# Altium PCB AudioBoxAmp.PcbDoc (part 1 of 2) (continued)
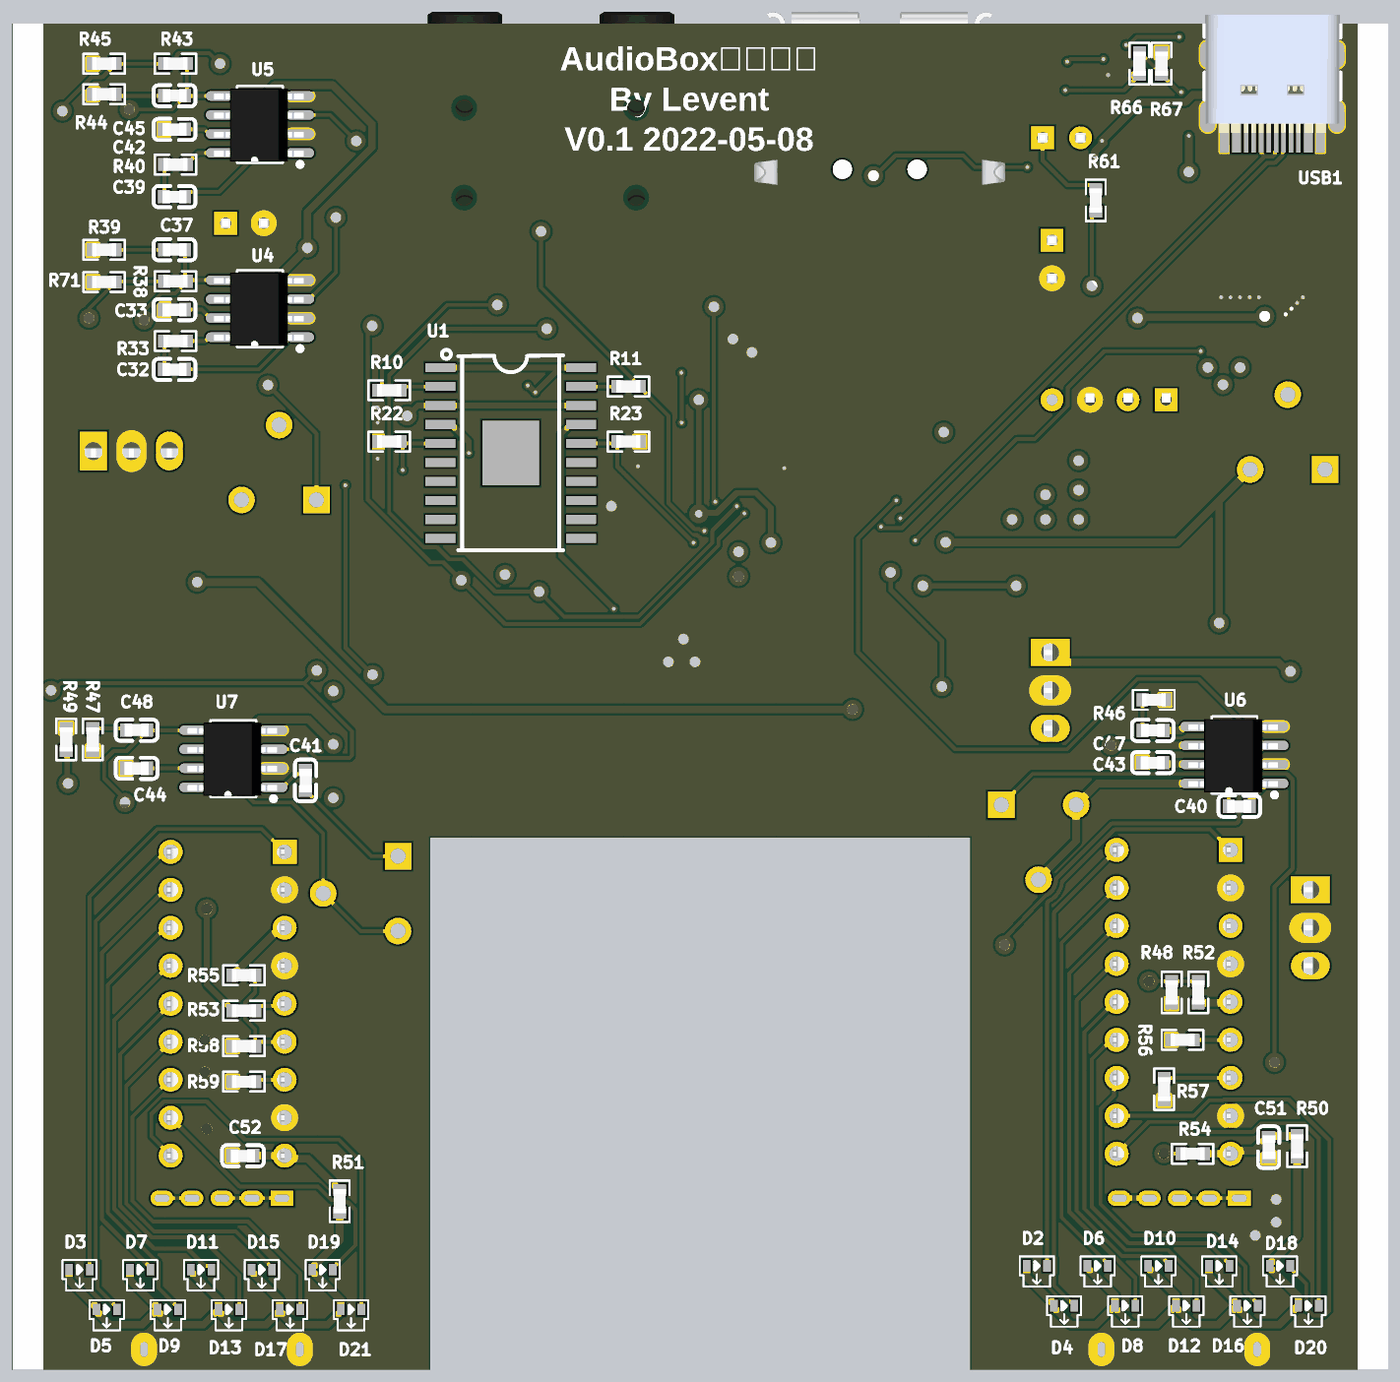
[diagram p6: 3D render of the assembled board from below, using the file's embedded part models]

## Layer stack, top to bottom
Top Solder: solder mask 0.4, Solder Resist, Dk 3.5
Top Layer: signal copper 1.4
Dielectric 2: prepreg 2.8, PP-006, Dk 4.1
GND_2: plane copper 1.378, net GND
Dielectric 1: dielectric 12.6, FR-4, Dk 4.8
VCC_3: plane copper 1.378, net (Multiple Nets)
Dielectric 3: prepreg 2.8, PP-006, Dk 4.1
Bottom Layer: signal copper 1.4
Bottom Solder: solder mask 0.4, Solder Resist, Dk 3.5

## Board outline
1630,657 1630,4200 5252,4200 5252,657 4152,657 4152,2057 2730,2057 2730,657

## Design rules (kind name [scope] priority, off if disabled: settings)
Clearance [All] p1: gap=6 ignorepadtopadclearanceinfootprint=FALSE
HoleSize [All] p1: absolutevalues=TRUE maxlimit=100 minlimit=10 maxpercent=80.000 minpercent=20.000
HoleToHoleClearance [All] p1: gap=4 allowstackedmicrovias=TRUE
MinimumSolderMaskSliver [All] p1: minsoldermaskwidth=1
PlaneClearance [All] p1: clearance=20
PlaneConnect [All] p1: planeconnectstyle=Relief reliefexpansion=20 reliefentries=4 reliefconductorwidth=10 reliefairgap=10
PolygonConnect [All] p1: connectstyle=Direct reliefconductorwidth=10 reliefentries=4 polygonreliefangle="90 Angle" airgapwidth=10
RoutingVias [All] p1: holewidth=28 width=50 viastyle="Through Hole" minholewidth=10 minwidth=20 maxholewidth=28 maxwidth=50
SilkToSilkClearance [All] p1: silktosilkclearance=3
SilkToSolderMaskClearance [IsPad] p1: minsilkscreentomaskgap=3 clearancetoexposedcopper=TRUE
SolderMaskExpansion [All] p1: expansion=4 istentingtop=FALSE
Width PWR [InNetClass('PWR')] p1: maxlimit=50 minlimit=10 preferedwidth=20
Width [All] p2: maxlimit=50 minlimit=10 preferedwidth=15
23 further rules are at their usual default settings.

## Classes and differential pairs
component class Audio_VU_LED: C32 C33 C34 C35 C36 C37 C38 C39 C40 C41 C42 C43 C44 C45 C46 C47 C48 C49 C50 C51 C52 D1 D2 D3 D4 D5 D6 D7 D8 D9 D10 D11 D12 D13 D14 D15 D16 D17 D18 D19 D20 D21 H1 R33 R34 R35 R36 R37 R38 R39 R40 R41 R42 R43 R44 R45 R46 R47 R48 R49 R50 R51 R52 R53 R54 R55 R56 R57 R58 R59 R71 U3 U4 U5 U6 U7 U8 U9
component class Audio_Power: C53 C54 C55 C56 C57 C58 C59 C60 C61 C62 C63 C64 C65 C66 C67 C68 C69 C70 C71 C72 C73 C74 D22 D23 D24 D25 D26 D27 D28 H2 H3 H4 L1 L2 R60 R61 R62 R63 R64 R65 R66 R67 R68 R69 R70 S1 U10 U11 U12 U13 USB1 USB2
component class Audio_Amp: C1 C2 C3 C4 C5 C6 C7 C8 C9 C10 C11 C12 C13 C14 C15 C16 C17 C18 C19 C20 C21 C22 C23 C24 C25 C26 C27 C28 C29 C30 C31 CN1 CN2 CON1 R1 R2 R3 R4 R5 R6 R7 R8 R9 R10 R11 R12 R13 R14 R15 R16 R17 R18 R19 R20 R21 R22 R23 R24 R25 R26 R27 R28 R29 R30 R31 R32 U1 U2

## Components (designator, comment, footprint, x,y, rotation, side; value= is the part's Value field where it differs from the comment)
C1 "CAP" C0603 3850,2620 r270 top value=10uF
C2 "CAP_POL" CAP_SMD_6.3mm 4245,2340 r270 top value=220uF
C3 "CAP_POL" CAP_SMD_6.3mm 3930,2340 r270 top value=220uF
C4 "CAP" C0603 4080,2620 r270 top value=10uF
C5 "CAP" C0603 4003.33,2620 r270 top value=100nF
C6 "CAP" C0603 3590,2740 r0 top value=10uF
C7 "CAP" C0603 3590,2662.5 r0 top value=100nF
C8 "Cap" C0603 3742.8,2660 r0 top value=1nF
C9 "CAP" C0603 3150,2140 r0 top value=10uF
C10 "CAP_POL" CAP_SMD_6.3mm 3300,2340 r90 top value=220uF
C11 "CAP_POL" CAP_SMD_6.3mm 3615,2340 r90 top value=220uF
C12 "CAP" C0603 3926.67,2620 r270 top value=10uF
C13 "CAP" C0603 3590,2585 r0 top value=10uF
C14 "CAP_POL" CAP_SMD_6.3mm 4560,2710 r90 top value=220uF
C15 "CAP_POL" CAP_SMD_6.3mm 3300,2665 r180 top value=220uF
C16 "CAP" C0603 4795,2570 r270 top value=10uF
C17 "CAP_POL" CAP_SMD_6.3mm 4560,2340 r270 top value=220uF
C18 "CAP_POL" CAP_SMD_6.3mm 4875,2340 r270 top value=220uF
C19 "Cap" C0603 4187.19,2660 r180 top value=1nF
C20 "Cap" C0603 3357.45,2990 r0 top value=1nF
C21 "Cap" C0603 3357.45,3160.37 r0 top value=1nF
C22 "CAP" C0603 3634.24,2842.8 r90 top value=2.7nF
C23 "CAP" C0603 3634.16,3297.81 r90 top value=2.7nF
C24 "CAP" C0603 3357.45,3075.19 r0 top value=1uF
C25 "CAP" C0603 3356.84,3245.77 r180 top value=1uF
C26 "CAP" C0603 3222.55,2989.44 r180 top value=1uF
C27 "CAP" C0603 3223.16,3159.6 r0 top value=1uF
C28 "CAP" C0603 4310,2842.8 r90 top value=2.7nF
C29 "CAP" C0603 4310,3300 r90 top value=2.7nF
C30 "Cap" C0603 3223.16,3074.41 r0 top value=1nF
C31 "Cap" C0603 3222.55,3245 r180 top value=1nF
C32 "CAP" C0603 4825,3290 r0 bottom value=10uF
C33 "CAP" C0603 4825,3447.61 r0 bottom value=4.7uF
C34 "CAP" C0603 4550,3440 r270 top value=10uF
C35 "CAP_POL" CAP_SMD_6.3mm 4985,2755 r0 top value=220uF
C36 "CAP" C0603 4757.77,2840.28 r90 top value=10uF
C37 "CAP" C0603 4824.39,3605 r180 bottom value=100nF
C38 "CAP_POL" CAP_SMD_6.3mm 4980,3360 r0 top value=100uF
C39 "CAP" C0603 4825,3745 r0 bottom value=10uF
C40 "CAP" C0603 2022.44,2140 r0 bottom value=10uF
C41 "CAP" C0603 4480,2207.7 r270 bottom value=10uF
C42 "CAP" C0603 4825,3922.08 r0 bottom value=4.7uF
C43 "CAP" C0603 2250,2255 r0 bottom value=4.7uF
C44 "CAP" C0603 4925,2240 r0 bottom value=4.7uF
C45 "CAP" C0603 4824.39,4010.41 r180 bottom value=100nF
C46 "CAP_POL" CAP_SMD_6.3mm 4973,3915 r0 top value=100uF
C47 "CAP" C0603 2249.39,2339.37 r180 bottom value=100nF
C48 "CAP" C0603 4924.39,2340 r180 bottom value=100nF
C49 "CAP_POL" CAP_SMD_6.3mm 2560,1722 r270 top value=100uF
C50 "CAP_POL" CAP_SMD_6.3mm 5020,2015 r270 top value=100uF
C51 "CAP" C0603 1945,1242.2 r270 bottom value=10nF
C52 "CAP" C0603 4645,1220 r0 bottom value=10nF
C53 "CAP" C0603 3060,3370 r270 top value=10uF
C54 "CAP" C0603 3145.87,3371.55 r270 top value=10uF
C55 "CAP_POL" CAP_SMD_6.3mm 2805,3300 r180 top value=220uF
C56 "CAP_POL" CAP_SMD_6.3mm 1865,1428 r270 top value=220uF
C57 "CAP" C0603 2140,2172.45 r90 top value=1uF
C58 "CAP" C0603 2515,3755 r180 top value=2.2nF
C59 "CAP" C0603 1850,4065 r90 top value=10uF
C60 "CAP" C0603 1928.45,4065 r270 top value=10uF
C61 "CAP" C0603 2340,4065 r0 top value=2.2uF
C62 "CAP_POL" CAP_SMD_6.3mm 2985,2340 r90 top value=220uF
C63 "CAP" C0603 2705,2295 r270 top value=1uF
C64 "CAP" C0603 1970,3705 r270 top value=100nF
C65 "CAP" C0603 1990,3555 r270 top value=10uF
C66 "CAP" C0603 1830,3555 r270 top value=10uF
C67 "CAP" C0603 2070,3557.55 r90 top value=100nF
C68 "CAP" C0603 1830,2895 r180 top value=1uF
C69 "CAP" C0603 1910,3555 r270 top value=100nF
C70 "CAP" C0603 1820,2400 r0 top value=1uF
C71 "CAP_POL" CAP_SMD_6.3mm 1895,2195 r180 top value=220uF
C72 "CAP" C0603 2370,3020 r270 top value=1uF
C73 "CAP_POL" CAP_SMD_6.3mm 2250,2385 r0 top value=220uF
C74 "CAP" C0603 2180,2570 r0 top value=1uF
CN1 "Audio3.5Con" Audio3.5_3Pin 4062.5,3842.35 r270 top
CN2 "Audio3.5Con" Audio3.5_3Pin 3610,3842.35 r270 top
CON1 "AFC01-S20FCC-00" FPC-SMD_20P_0.5 2995,2845 r90 top
D1 "Diode SBD" SMA_L4.3 4655,3360 r270 top
D2 "LED" LED0603_Side 2555,930 r270 bottom
D3 "LED" LED0603_Side 5075,920 r270 bottom
D4 "LED" LED0603_Side 2483.22,825 r270 bottom
D5 "LED" LED0603_Side 5003.22,815 r270 bottom
D6 "LED" LED0603_Side 2395,930 r270 bottom
D7 "LED" LED0603_Side 4915,920 r270 bottom
D8 "LED" LED0603_Side 2322.42,825 r270 bottom
D9 "LED" LED0603_Side 4842.42,815 r270 bottom
D10 "LED" LED0603_Side 2235,930 r270 bottom
D11 "LED" LED0603_Side 4755,920 r270 bottom
D12 "LED" LED0603_Side 2161.61,825 r270 bottom
D13 "LED" LED0603_Side 4681.61,815 r270 bottom
D14 "LED" LED0603_Side 2075,930 r270 bottom
D15 "LED" LED0603_Side 4595,920 r270 bottom
D16 "LED" LED0603_Side 2000.81,825 r270 bottom
D17 "LED" LED0603_Side 4520.81,815 r270 bottom
D18 "LED" LED0603_Side 1915,930 r270 bottom
D19 "LED" LED0603_Side 4435,920 r270 bottom
D20 "LED" LED0603_Side 1840,825 r270 bottom
D21 "LED" LED0603_Side 4360,815 r270 bottom
D22 "LED" LED0603_Side 2210,4132.5 r90 top
D23 "LED" LED0603_Side 2320,4132.5 r90 top
D24 "LED" LED0603_Side 2430,4132.5 r90 top
D25 "LED" LED0603_Side 2540,4132.5 r90 top
D26 "Diode SBD" SMA_L4.3 1815,2680 r270 top
D27 "Diode SBD" SMA_L4.3 1990,2800 r90 top
D28 "Diode SBD" SMA_L4.3 1980,2498.39 r90 top
H1 "Header_P2" H_2.54_P2 4640,3675 r180 top
H2 "Header_P2" H_2.54_P2 2490,3900 r180 top
H3 "Header_P4" H_2.54_P4 2365,3210 r0 top
H4 "Header_P2" H_2.54_P2 2515,3580 r270 top
L1 "INDU" SMD_L7.1 2285,3630 r90 top value=1uH
L2 "INDU" SMD_L7.1 2260,2775 r0 top value=4.7uH
R1 "Reg" R0603 3740,3405 r180 top value=1K
R2 "Reg" R0603 3740,2735 r180 top value=1K
R3 "Reg" R0603 4185,2735 r0 top value=1K
R4 "Reg" R0603 4185,3405 r180 top value=1K
R5 "Reg" R0603 3930.42,2840 r90 top value=1K
R6 "Reg" R0603 3705.17,2840 r270 top value=1K
R7 "Reg" R0603 3780,3300 r90 top value=1K
R8 "Reg" R0603 3930,3300 r270 top value=1K
R9 "Reg" R0603 3555,2840 r90 top value=10K
R10 "Reg" R0603 4259.65,3235 r180 bottom value=50R
R11 "Reg" R0603 3630,3245 r180 bottom value=50R
R12 "Reg" R0603 3555,3146.67 r90 top value=10K
R13 "Reg" R0603 3780.25,2840 r270 top value=1K
R14 "Reg" R0603 3705,3300 r270 top value=1K
R15 "Reg" R0603 4190,2580 r0 top value=1K
R16 "Reg" R0603 3740,2585 r0 top value=1K
R17 "Reg" R0603 3855.34,2840 r270 top value=1K
R18 "Reg" R0603 3855,3300 r270 top value=1K
R19 "Reg" R0603 4080.59,2840 r270 top value=1K
R20 "Reg" R0603 4005,3300 r270 top value=1K
R21 "Res_Tap_2" RES_TAP_5Pin 4700,909 r180 top
R22 "Reg" R0603 4259.65,3100 r180 bottom value=1K
R23 "Reg" R0603 3630,3100 r0 bottom value=1K
R24 "Res_Tap_2" RES_TAP_5Pin 2180,909 r180 top
R25 "Reg" R0603 4155.67,2840 r270 top value=1K
R26 "Reg" R0603 4080,3300 r270 top value=1K
R27 "Reg" R0603 3555,2993.33 r90 top value=10K
R28 "Reg" R0603 3555,3300 r90 top value=10K
R29 "Reg" R0603 4005.5,2840 r270 top value=1K
R30 "Reg" R0603 4230.76,2840 r90 top value=1K
R31 "Reg" R0603 4155,3300 r270 top value=1K
R32 "Reg" R0603 4230,3300 r90 top value=1K
R33 "Reg" R0603 4822.2,3364.64 r0 bottom value=10K
R34 "Reg" R0603 4695,3790 r180 top value=1K
R35 "Res Tap" RES_TAP_HOR 4550,3045 r0 top value=10K
R36 "Reg" R0603 4765,3305 r90 top value=1K
R37 "Reg" R0603 4765,3435.34 r270 top value=1K
R38 "Reg" R0603 4822.2,3522.25 r0 bottom value=10R
R39 "Reg" R0603 5010,3605 r180 bottom value=10R
R40 "Reg" R0603 4822.2,3829.38 r0 bottom value=10K
R41 "Res Tap" RES_TAP_HOR 2550,2045 r180 top value=10K
R42 "Res Tap" RES_TAP_HOR 4335,1910 r270 top value=10K
R43 "Reg" R0603 4822.2,4095 r0 bottom value=10R
R44 "Reg" R0603 5010,4014.57 r180 bottom value=10R
R45 "Reg" R0603 5010,4095 r180 bottom value=1K
R46 "Reg" R0603 2247.2,2420 r0 bottom value=10R
R47 "Reg" R0603 5040,2315.64 r90 bottom value=10R
R48 "Reg" R0603 2200,1650 r90 bottom value=1K
R49 "Reg" R0603 5110,2315.64 r270 bottom value=1K
R50 "Reg" R0603 1870,1245 r270 bottom value=100R
R51 "Reg" R0603 4390,1100 r270 bottom value=100R
R52 "Reg" R0603 2130,1650 r90 bottom value=10k
R53 "Reg" R0603 4642.2,1601.67 r0 bottom value=10k
R54 "Reg" R0603 2145,1225 r180 bottom value=20K
R55 "Reg" R0603 4642.2,1695 r0 bottom value=20K
R56 "Reg" R0603 2171.48,1525 r0 bottom value=560R
R57 "Reg" R0603 2220,1395 r270 bottom value=1K
R58 "Reg" R0603 4642.2,1508.33 r0 bottom value=560R
R59 "Reg" R0603 4642.2,1415 r0 bottom value=1K
R60 "Reg" R0603 2520,4020 r90 top value=0R
R61 "Reg" R0603 2400,3735 r270 bottom value=1K
R62 "Reg" R0603 2445,4020 r90 top value=0R
R63 "Reg" R0603 2005,4067.8 r270 top value=2R
R64 "Reg" R0603 2235,3310 r0 top value=1K
R65 "Reg" R0603 2210,4069.16 r180 top value=100K
R66 "Reg" R0603 2285,4095.17 r270 bottom value=2M
R67 "Reg" R0603 2226.78,4095.17 r90 bottom value=1M
R68 "Reg" R1206 2060,3730 r270 top value=0.01R
R69 "Res Tap" RES_TAP_HOR 1895,3125 r0 top value=10K
R70 "Reg" R0603 2295,3022.8 r90 top value=300R
R71 "Reg" R0603 5010,3520 r180 bottom value=1K
S1 "KEY-2P" KEY_SOT_P2 1940,3385 r0 top
U1 "TPA6120A2DWP" HSOP-20 3939.96,3070 r270 bottom
U2 "OPA4134UA" SOIC-14 3905,3070 r0 top
U3 "LM78XX" TO-220-3_2.54 4938.3,3075.2 r180 top
U4 "LM386D" SOP-8 4600,3450 r90 bottom
U5 "LM386D" SOP-8 4600,3935 r90 bottom
U6 "LM386D" SOP-8 2035,2275 r90 bottom
U7 "LM386D" SOP-8 4670,2265 r90 bottom
U8 "XD3915" DIP-18 2195,1625 r270 top
U9 "XD3915" DIP-18 4685,1620 r270 top
U10 "LM78XX" TO-220-3_2.54 1835.2,1820 r270 top
U11 "IP5209" QFN-24 2270,3920 r180 top
U12 "LM79XX" TO-220-3_2.54 2519.8,2445 r270 top
U13 "SX1308" SOT-23-6 2180,3050 r270 top
USB1 "TYPEC-304-ACP16" USB-C-SMD_TYPE-C-16P 1935,4015 r0 bottom
USB2 "USB_TypeA母座" USB_TYPEA-SMD 2968.42,3740.12 r180 top

## Footprints (in the part's own frame and the unit in brackets; to place one, negate y for a bottom-side part, rotate by r counter-clockwise, add the part's x,y. Pads: shape width x height; smd on the part's side, far side on the other; paste and mask are expansions set on the pad)
Audio3.5_3Pin [mil] "3.5mm3Pin音频接口"
  rect 60x120 smd: 1(-191,137.5) 2(191,137.5) 3(124,-137.5) 4(-49,137.5) 5(-151,-137.5)
  Keep-Out Layer board cut-out: -136,-23 -144.8,-21.25 -152.26,-16.26 -157.25,-8.8 -159,0 -159,0 -157.25,8.8 -152.26,16.26 -144.8,21.25 -136,23 -136,23 -127.2,21.25 -119.74,16.26 -114.75,8.8 -113,0 -113,0 -114.75,-8.8 -119.74,-16.26 -127.2,-21.25 -136,-23
  Keep-Out Layer board cut-out: 77,0 78.75,-8.8 83.74,-16.26 91.2,-21.25 100,-23 100,-23 108.8,-21.25 116.26,-16.26 121.25,-8.8 123,0 123,0 121.25,8.8 116.26,16.26 108.8,21.25 100,23 100,23 91.2,21.25 83.74,16.26 78.75,8.8 77,0
  Keep-Out Layer circle w10: c-136,0 r23
  Keep-Out Layer circle w10: c100,0 r23
  silkscreen extent -334,-130 238,130, body extent -389,-179 359,175, height 218
C0603 [mm]
  rect 0.8x0.9 smd: 1(-0.7,0) 2(0.7,0)
  silkscreen extent -1.41,-0.71 1.39,0.72, body extent -0.8,-0.41 0.8,0.45, height 0.89
CAP_SMD_6.3mm [mil] "SMD电容,10mm"
  oval 120x40 smd: 1(-103,0) 2(103,0)
  silkscreen extent -140,-140 140,140, body extent -137,-130 139,130, height 154
DIP-18 [mm]
  rect 1.6x1.6 hole 1: 1(-10.16,-3.81)
  round 1.6 hole 1: 2(-7.62,-3.81) 3(-5.08,-3.81) 4(-2.54,-3.81) 5(0,-3.81) 6(2.54,-3.81) 7(5.08,-3.81) 8(7.62,-3.81) 9(10.16,-3.81) 10(10.16,3.81) 11(7.62,3.81) 12(5.08,3.81) 13(2.54,3.81) 14(0,3.81) 15(-2.54,3.81) 16(-5.08,3.81) 17(-7.62,3.81) 18(-10.16,3.81)
  silkscreen extent -11.58,-3.93 11.5,3.25, body extent -11,-3.81 11,4.06, height 5
FPC-SMD_20P_0.5 [mm] "FPC连接器"
  rect 0.3x1.3 smd: 1(-4.752,-1.339) 2(-4.252,-1.339) 3(-3.752,-1.339) 4(-3.252,-1.339) 5(-2.752,-1.339) 6(-2.252,-1.339) 7(-1.752,-1.339) 8(-1.252,-1.339) 9(-0.752,-1.339) 10(-0.252,-1.339) 11(0.248,-1.339) 12(0.748,-1.339) 13(1.248,-1.339) 14(1.748,-1.339) 15(2.248,-1.339) 16(2.748,-1.339) 17(3.248,-1.339) 18(3.748,-1.339) 19(4.248,-1.339) 20(4.748,-1.339)
  rect 2x1.6 smd: 21(6.45,1.339) 22(-6.45,1.339)
  silkscreen extent -7.2,-1.34 7.2,4.76
H_2.54_P2 [mil] "2Pin Header"
  rect 60x60 hole 30: 1(-50,0)
  round 60 hole 30: 2(50,0)
  silkscreen extent -110,-55 110,55, body extent -100,-50 100,50, height 336
H_2.54_P4 [mil]
  rect 60x60 hole 30: 1(-150,0)
  round 60 hole 30: 2(-50,0) 3(50,0) 4(150,0)
  silkscreen extent -210,-55 210,55, body extent -200,-45 100,55, height 315
HSOP-20 [mm]
  rect 0.6x2 smd: 1(-5.715,-4.7) 2(-4.445,-4.7) 3(-3.175,-4.7) 4(-1.905,-4.7) 5(-0.635,-4.7) 6(0.635,-4.7) 7(1.905,-4.7) 8(3.175,-4.7) 9(4.445,-4.7) 10(5.715,-4.7) 11(5.715,4.7) 12(4.445,4.7) 13(3.175,4.7) 14(1.905,4.7) 15(0.635,4.7) 16(-0.635,4.7) 17(-1.905,4.7) 18(-3.175,4.7) 19(-4.445,4.7) 20(-5.715,4.7)
  rect 4.32x3.81 smd: 21(0,0)
  silkscreen extent -6.9,-4.6 6.5,3.5
KEY_SOT_P2 [mil] "KEY_SOT_P2"
  rect 50x30 smd: 1(125.59,5) 2(-150,5)
  body extent -174,-67 147,75, height 98
LED0603_Side [mil]
  rect 30x20 smd: 1(0,27) 2(0,-27)
  silkscreen extent -25,-45 55,45
QFN-24 [mm]
  rect 0.28x0.665 smd mask+0.076: 1(-1.25,-1.907) 2(-0.75,-1.907) 3(-0.25,-1.907) 4(0.25,-1.907) 5(0.75,-1.907) 6(1.25,-1.907) 13(1.25,1.907) 14(0.75,1.907) 15(0.25,1.907) 16(-0.25,1.907) 17(-0.75,1.907) 18(-1.25,1.907)
  rect 0.665x0.28 smd mask+0.076: 7(1.907,-1.25) 8(1.907,-0.75) 9(1.907,-0.25) 10(1.907,0.25) 11(1.907,0.75) 12(1.907,1.25) 19(-1.907,1.25) 20(-1.907,0.75) 21(-1.907,0.25) 22(-1.907,-0.25) 23(-1.907,-0.75) 24(-1.907,-1.25)
  rect 2.55x2.55 smd: 25(0,0)
  silkscreen extent -2.08,-2.61 2.08,2.08, body extent -2,-2 2,2, height 0.9
R0603 [mil]
  rect 31.75x34.02 smd: 1(-29.66,0) 2(29.66,0)
  silkscreen extent -55,-26 55,26, body extent -31,-17 32,17, height 19
R1206 [mil]
  rect 47.54x66.97 smd: 1(-58.22,0) 2(58.22,0)
  silkscreen extent -91,-42 91,42, body extent -63,-31 63,32, height 22
RES_TAP_5Pin [mil] "双联电位器"
  rect 60x40 hole 20 slot 40 at 0 deg: 1(158,-199)
  oval 60x40 hole 20 slot 40 at 0 deg: 2(79,-199) 3(0,-199) 4(-79,-199) 5(-158,-199)
  oval 60x80 hole 40 slot 20 at 0 deg: 6(-205,199) 6(205,199)
  silkscreen extent -315,-244 315,412
RES_TAP_HOR [mil] "卧式电位器"
  rect 70x70 hole 40: 1(-98.5,-98.5)
  round 70 hole 40: 2(98.5,-98.5) 3(-0.5,98.5)
  silkscreen extent -150,-150 150,150
SMA_L4.3 [mm] "SMA_DIode"
  rect 2.185x1.7 smd: 1(-2.2,0) 2(2.2,0)
  silkscreen extent -3.11,-1.48 2.73,1.48, body extent -2.6,-1.3 2.6,1.3, height 2.4
SMD_L7.1 [mm]
  rect 2.5x3.8 smd: 1(-2.8,0) 2(2.8,0)
  silkscreen extent -4.44,-3.81 3.81,3.81, body extent -3.65,-3.3 3.65,3.3, height 4.95
SOIC-14 [mil]
  oval 22.6x80.24 smd: 1(-150,-109.02) 2(-100,-109.02) 3(-50,-109.02) 4(0,-109.02) 5(50,-109.02) 6(100,-109.02) 7(150,-109.02) 8(150,109.01) 9(100,109.01) 10(50,109.01) 11(0,109.01) 12(-50,109.01) 13(-100,109.01) 14(-150,109.01)
  silkscreen extent -185,-115 173,60
SOP-8 [mm]
  oval 0.63x1.865 smd: 1(-1.905,-2.682) 2(-0.635,-2.682) 3(0.635,-2.682) 4(1.905,-2.682) 5(1.905,2.682) 6(0.635,2.682) 7(-0.635,2.682) 8(-1.905,2.682)
  silkscreen extent -2.82,-2.83 2.58,1.52, body extent -2.49,-2.92 2.41,3.06, height 1.58
SOT-23-6 [mm]
  rect 1x0.55 smd: 1(1.4,-0.95) 2(1.4,0) 3(1.4,0.95) 4(-1.4,0.95) 5(-1.4,0) 6(-1.4,-0.95)
  silkscreen extent -0.9,-2.03 1.78,1.55, body extent -1.21,-1.4 1.21,1.4, height 1.09
TO-220-3_2.54 [mm]
  rect 1.8x2.6 hole 1.2: 1(-2.54,0.005)
  oval 1.8x2.6 hole 1.2: 2(0,0.005) 3(2.54,-0.005)
  silkscreen extent -5.3,-2.73 5.3,3.09, body extent -4.95,-1.96 4.95,2.54, height 19.31
USB-C-SMD_TYPE-C-16P [mm] "全引脚USB TYPEC母座"
  rect 0.6x2.032 smd: A1B12(-3.2,2.893) A4B9(-2.4,2.893) B1A12(3.2,2.893) B4A9(2.4,2.893)
  rect 0.3x2.032 smd: A5(-1.25,2.893) A6(-0.25,2.893) A7(0.25,2.893) A8(1.25,2.893) B5(1.75,2.893) B6(0.75,2.893) B7(-0.75,2.893) B8(-1.75,2.893)
  oval 1x1.8 hole 0.6 slot 1.4 at 90 deg: EP(-4.32,-2.639) EP(4.32,-2.639)
  oval 1x2.1 hole 0.6 slot 1.7 at 90 deg: EP(-4.32,1.511) EP(4.32,1.511)
  round 0.65 hole 0.65 unplated: ""(-2.9,1.011) ""(2.9,1.021)
  silkscreen extent -4.55,-5.37 4.55,0.36, body extent -4.47,-5.32 4.47,2.58, height 3.13
USB_TYPEA-SMD [mm] "USBA母座"
  rect 1.2x3.8 smd: 1(-3.505,1.95) 2(-1.005,1.95) 3(0.996,1.95) 4(3.496,1.95)
  rect 3x5.3 smd: 5(-7.5,-0.65) 5(7.5,-0.65)
  round 1.3 hole 1.3 unplated: ""(-2.5,-1.95) ""(2.5,-1.95)
  silkscreen extent -7.32,-12.35 7.33,1.65, body extent -8.39,-12.45 8.39,3.07, height 7.95

## Part data
C1 C4 C5 C6 C7 C9 C12 C13 C16 C22 C23 C24 C25 C26 C27 C28 C29 C32 C33 C34 C36 C37 C39 C40 C41 C42 C43 C44 C45 C47 C48 C51 C52 C53 C54 C57 C58 C59 C60 C61 C63 C64 C65 C66 C67 C68 C69 C70 C72 C74: "Cap", BOM_Manufacturer="Huaxin S&T", BOM_Manufacturer Part=0603B103K101CT, BOM_Supplier=LCSC, BOM_Supplier Part=C302008, Contributor=LCSC, nameAlias=Capacitance, spicePre=C, spiceSymbolName=0603B103K101CT
C2 C3 C10 C11 C14 C15 C17 C18 C35 C38 C46 C49 C50 C55 C56 C62 C71 C73: "极性电容"
C8 C19 C20 C21 C30 C31: library part CAP, BOM_Manufacturer="Huaxin S&T", BOM_Manufacturer Part=0603B103K101CT, BOM_Supplier=LCSC, BOM_Supplier Part=C302008, Contributor=LCSC, nameAlias=Capacitance, spicePre=C, spiceSymbolName=0603B103K101CT
CN1 CN2: library part AudioCon3, "3.5mm 3Pin 音频接口", BOM_JLCPCB Part Class="Extended Part", BOM_Manufacturer=G-Switch(品赞), BOM_Manufacturer Part=PJ-393, BOM_Supplier=LCSC, BOM_Supplier Part=C2837065, Contributor=LCSC, spicePre=C, spiceSymbolName=PJ-393_C2837065
CON1: library part FPC_CONN_20, "FPC连接器20Pin", BOM_JLCPCB Part Class="Extended Part", BOM_Manufacturer=JUSHUO, BOM_Manufacturer Part=AFC01-S20FCC-00, BOM_Supplier=LCSC, BOM_Supplier Part=C262274, Contributor=LCSC, spicePre=F, spiceSymbolName=AFC01-S20FCC-00
D1 D26 D27 D28: "Schottky Rectifier", ComponentLink1Description="Manufacturer Link", ComponentLink1URL=http://www.irf.com/, ComponentLink2Description=Datasheet, ComponentLink2URL=http://www.irf.com/product-info/datasheets/data/10tq.pdf, DatasheetVersion=PD-2.057B, LatestRevisionDate=17-Jul-2002, LatestRevisionNote="Re-released for DXP Platform.", Note="Terminal 2 is the TAB and is electrically connected to the cathode", PackageDescription="TO, Thru-Hole, Vertical, Heatsink Mounted; 3 In-Line Leads (1 Absent); Pitch 2.54 mm", PackageReference=TO-220AC, PackageVersion=Feb-1998, Published=8-Jun-2000, Publisher="Altium Limited"
D2 D3 D4 D5 D6 D7 D8 D9 D10 D11 D12 D13 D14 D15 D16 D17 D18 D19 D20 D21 D22 D23 D24 D25: library part LED0, LatestRevisionDate=08-Jul-2005, LatestRevisionNote="Mech Layer 1 removed.", PackageDescription="LED; 2 Leads", PackageReference=LED-0, Published=8-Jun-2000, Publisher="Altium Limited"
H1 H2 H4: "2Pin排针"
H3: "4Pin排针"
L1 L2: library part IND, "电感", BOM_JLCPCB Part Class="Extended Part", BOM_Manufacturer="Sunltech Tech", BOM_Manufacturer Part=SLO0630H150MTT, BOM_Supplier=LCSC, BOM_Supplier Part=C182182, Contributor=LCSC, nameAlias=Inductance, spicePre=L, spiceSymbolName=SLO0630H150MTT
R1 R2 R3 R4 R5 R6 R7 R8 R9 R10 R11 R12 R13 R14 R15 R16 R17 R18 R19 R20 R22 R23 R25 R26 R27 R28 R29 R30 R31 R32 R33 R34 R36 R37 R38 R39 R40 R43 R44 R45 R46 R47 R48 R49 R50 R51 R52 R53 R54 R55 R56 R57 R58 R59 R60 R61 R62 R63 R64 R65 R66 R67 R68 R70 R71: library part Res, "电阻", BOM_Manufacturer="Viking Tech", BOM_Manufacturer Part=AR03BTCX1002A, BOM_Supplier=LCSC, BOM_Supplier Part=C465721, Contributor=LCSC, nameAlias="Resistance (Ohms)", spicePre=R, spiceSymbolName=AR03BTCX1002A
R21 R24: "双联电位器"
R35 R41 R42 R69: "可调电阻", LatestRevisionDate=17-Jul-2002, LatestRevisionNote="Re-released for DXP Platform.", PackageDescription="Variable Resistor, Thru-Hole; 3 Leads", PackageReference=VR3, Published=24-Mar-1999, Publisher="Altium Limited", Set Position=0.5, Sim Note="Enter the Resistance value and the set point into parameter fields."
S1: library part KEY_2P, "KEY-2Pp"
U1: library part TPA6120, "耳放", BOM_Manufacturer=TI(德州仪器), BOM_Manufacturer Part=TPA6120A2DWP, BOM_Supplier=LCSC, BOM_Supplier Part=C2871054, Contributor=LCSC, link=https://atta.szlcsc.comnull, spicePre=U, spiceSymbolName=TPA6120A2DWP
U2: "耳放", BOM_JLCPCB Part Class="Extended Part", BOM_Manufacturer=TI(德州仪器), BOM_Manufacturer Part=OPA4134UA, BOM_Supplier=LCSC, BOM_Supplier Part=C2832240, Contributor=LCSC, spicePre=U, spiceSymbolName=OPA4134UA
U3 U10: "三端稳压(正电压)", BOM_JLCPCB Part Class="Extended Part", BOM_Manufacturer=HGSEMI(华冠), BOM_Manufacturer Part=LM7812T, BOM_Supplier=LCSC, BOM_Supplier Part=C2902509, Contributor=LCSC, spicePre=U, spiceSymbolName=LM7812T
U4 U5 U6 U7: "LM386", BOM_JLCPCB Part Class="Extended Part", BOM_Manufacturer="HTC Korea TAEJIN Tech", BOM_Manufacturer Part=LM386D, BOM_Supplier=LCSC, BOM_Supplier Part=C510560, Contributor=LCSC, spicePre=U, spiceSymbolName=LM386D
U8 U9: library part LM3915, "电平指示", BOM_JLCPCB Part Class="Extended Part", BOM_Manufacturer=XINLUDA(信路达), Frequency=-, BOM_Manufacturer Part=XD3915, BOM_Supplier=LCSC, BOM_Supplier Part=C609778, Contributor=LCSC, spicePre=U, spiceSymbolName=XD3915
U11: "USB充电宝", BOM_JLCPCB Part Class="Extended Part", BOM_Manufacturer=INJOINIC, BOM_Manufacturer Part=IP5209, BOM_Supplier=LCSC, BOM_Supplier Part=C181695, Contributor=LCSC, spicePre=U, spiceSymbolName=IP5209
U12: "三端稳压(负电压)", BOM_JLCPCB Part Class="Extended Part", BOM_Manufacturer=HGSEMI(华冠), BOM_Manufacturer Part=LM7812T, BOM_Supplier=LCSC, BOM_Supplier Part=C2902509, Contributor=LCSC, spicePre=U, spiceSymbolName=LM7812T
U13: "升压PWM", BOM_JLCPCB Part Class="Extended Part", BOM_Manufacturer=SX, BOM_Manufacturer Part=SX1308, BOM_Supplier=LCSC, BOM_Supplier Part=C78162, sourceId=g4Yg9rJ1j, spicePre=U, spiceSymbolName=SX1308, timeStamp=1472247539
USB1: library part USB_TYPEC_12P, "全引脚USB TYPEC母座", BOM_JLCPCB Part Class="Extended Part", BOM_Manufacturer=XUNPU(讯普), BOM_Manufacturer Part=TYPEC-304-ACP16, BOM_Supplier=LCSC, BOM_Supplier Part=C2982555, Contributor=LCSC, spicePre=U, spiceSymbolName=TYPEC-304-ACP16
USB2: library part USB-TYPEA, BOM_JLCPCB Part Class="Extended Part", BOM_Manufacturer=ValuePro, BOM_Manufacturer Part=YJ-USB-AF-SMT-01, BOM_Supplier=LCSC, BOM_Supplier Part=C8328, spicePre=U, spiceSymbolName=YJ-USB-AF-SMT-01

## Via types
v1: diameter 50, hole 28, Top Layer to Bottom Layer, tented both sides, 72 vias
v2: diameter 20, hole 10, Top Layer to Bottom Layer, tented both sides, 47 vias
v3: diameter 50, hole 20, Top Layer to Bottom Layer, tented both sides, 1 vias

## Nets (pads, with @x,y where several pads share a name; then routed paths per layer and width w, separated by ;. In a path a pad name is that pad's centre, name@x,y a point inside that pad or via, vN(x,y) a via of type N, cw(c..) or ccw(c..) an arc to the next point about the centre after c; other vN are vias at no path point)
AL_12V: C35.1 C36.1 C51.1 C52.1 R50.1 R51.1 R54.2 R55.2 U3.3 U8.3 U8.9 U9.3 U9.9 | length 6852.9
  Top Layer w20: U8.9@2045,1225 1995,1275 1995,1775 U8.3@2045,1825 2435,2215 2740,2215 2880,2355 3040,2355 v1(3040,2395) ; U9.9@4535,1220 4480,1275 4480,1765 U9.3@4535,1820 4720.16,2005.16 4734.07,2005.16 4925,2196.09 4925,2570 v1(4765,2730) 4761.38,2733.62 4761.38,2809.1 C36.1@4757.77,2812.72 4805.48,2812.72 4838.17,2780.03 4838.17,2764.24 4847.41,2755 C35.1@4882,2755 4882,3010.81 4838.3,3054.51 U3.3@4838.3,3075.39
  Bottom Layer w20: R50.1@1870,1274.65 1872.45,1272.2 1942.55,1272.2 C51.1@1945,1269.75 1946.97,1269.75 1983.5,1233.22 2036.78,1233.22 U8.9@2045,1225 R54.2@2115.34,1225 ; v1(3040,2395) 4270,2395 4605,2730 v1(4765,2730) ; R51.1@4390,1129.65 4391.13,1129.65 4473.5,1212.03 4527.03,1212.03 U9.9@4535,1220 C52.1@4617.44,1220 ; U9.3@4535,1820 4543.23,1811.77 4556.21,1811.77 4671.85,1696.13 R55.2@4671.85,1695
AL_L_SIG: C50.2 R49.2 R53.2 | length 1020.3
  Top Layer w15: v1(4740,1870) 4744.75,1874.75 5008.45,1874.75 5008.45,1940.45 5105,2037 v1(5105,2200)
  Bottom Layer w15: R53.2@4671.85,1601.67 4671.85,1602.8 4740,1670.95 v1(4740,1870) ; v1(5105,2200) 5107.5,2202.5 5107.5,2283.48 R49.2@5110,2285.98
AL_L_VU: C38.2 R36.2 R38.2 R71.2 | length 657.2
  Top Layer w10: R36.2@4765,3334.66 4818.5,3334.66 4824.16,3329 5012,3329 5043,3360 C38.2@5063.86,3360 ; v1(5050,3425) 5050,3373.86 C38.2@5063.86,3360 ; C38.2@5083,3360 C38.2@5063.86,3360
  Bottom Layer w10: R38.2@4851.85,3522.25 4978.09,3522.25 R71.2@4980.35,3520 5050,3450.34 v1(5050,3425)
AL_R_SIG: C49.2 R48.2 R52.2 | length 467.4
  Top Layer w15: v1(2260.34,1679.65) 2401.2,1679.65 2429.35,1651.5 2548.45,1651.5 2560,1639.95 C49.2@2560,1619
  Bottom Layer w10: R52.2@2130,1679.65 R48.2@2200,1679.65 v1(2260.34,1679.65)
AL_R_VU: C46.2 R34.2 R43.2 R45.2 | length 916.9
  Top Layer w10: R34.2@4665.35,3790 4665.35,3791.13 4705,3830.79 v1(4705,4095) ; C46.2@5076,3915 5101.64,3915 5115.5,3928.86 5115.5,3965.5 v1(5120,3970)
  Bottom Layer w10: v1(4705,4095) 4705.55,4095 4733.56,4123.01 4812.97,4123.01 4819.42,4116.56 4819.42,4100.86 4825.27,4095 R43.2@4851.85,4095 R45.2@4980.35,4095 4980.35,4093.87 5014.65,4059.56 5043.1,4059.56 5120,3982.66 v1(5120,3970)
AL_VU_OUT: C34.1 H1.1 R35.1 | length 851.4
  Top Layer w10: C34.1@4550,3467.55 C34.1@4551.97,3467.55 ; v1(4578.72,3248.72) 4578.72,3440.81 C34.1@4551.97,3467.55 ; H1.1@4690,3675 4690,3605.59 C34.1@4551.97,3467.55
  Bottom Layer w10: R35.1@4451.5,2946.5 4451.5,3121.5 v1(4578.72,3248.72)
AU_B_VN: C6.2 C7.2 C9.2 C10.2 C11.2 C13.2 C15.2 C62.2 C63.1 CON1.5 U1.1 U1.20 U2.11 U12.3 | length 4415.5
  Top Layer w12: v1(2940,2755.47) 2940.47,2755 3000.6,2755 3019.13,2736.47 3029.07,2736.47 3029.25,2736.65 CON1.5@3047.73,2736.65 3157.65,2736.65 v1(3255,2834)
  Top Layer w15: C9.2@3177.55,2140 3177.55,2280.55 3300,2403 C10.2@3300,2443 C11.2@3615,2443 3616.28,2444.28 3616.28,2583.72 C13.2@3617.55,2585 C7.2@3617.55,2662.5 C6.2@3617.55,2740 3617.55,2741.97 3588.09,2771.43 3541.94,2771.43 3497.46,2815.91 3497.46,2857.54 v3(3445,2910) ; C15.2@3197,2665 3217.95,2665 3229.5,2676.55 3229.5,2799.03 ; v1(3445,3210) 3469.35,3210 3532.4,3146.95 3602.46,3146.95 3657.9,3091.5 3846.3,3091.5 3905,3150.2 U2.11@3905,3179.01 3905,3236.4 3895,3246.4 v2(3895,3247.5)
  Top Layer w20: U12.3@2519.61,2345 2549.12,2345 2571.56,2322.55 C63.1@2705,2322.55 2706.97,2322.55 2799.26,2414.85 2799.26,2449.26 v1(2805,2455) 2975.76,2455 2985,2445.76 C62.2@2985,2443
  Bottom Layer w12: v1(2805,2455) 2805,2575 2940,2710 v1(2940,2755.47)
  Bottom Layer w15: v1(3255,2834) 3255,2925 3295,2965 3345,2965 3397.5,2912.5 3442.5,2912.5 v3(3445,2910) v1(3445,3210) ; U1.20@3754.92,3295 3810,3295 ; v2(3895,3247.5) 3893.75,3247.5 3876.25,3230 v2(3875,3230) 3810,3295 ; U1.1@4125,3295 3810,3295
AU_B_VP: C1.2 C2.1 C3.1 C4.2 C5.2 C12.2 C14.1 C56.1 C57.1 CON1.4 U1.3 U1.18 U2.4 U10.3 | length 4539.4
  Top Layer w15: U10.3@1835,1720 U10.3@1835.63,1720 ; C56.1@1865,1531 1865,1690.63 U10.3@1835.63,1720 ; v1(2609.29,2720) 2605.51,2723.79 2548.79,2723.79 2245,2420 2245,2247.92 2141.97,2144.89 C57.1@2140,2144.89 2138.03,2144.89 2092.51,2099.36 2037.28,2099.36 1915,1977.08 1915,1784.25 1850.75,1720 U10.3@1835.63,1720 ; v1(2855,2720) 2858.03,2716.97 CON1.4@3047.73,2716.97 3048.01,2716.68 3088.32,2716.68 3123.5,2681.5 3123.5,2651.12 3154.62,2620 3270,2620 3340,2690 v1(3340,2745) v1(3340,2810) ; C1.2@3850,2592.45 C12.2@3926.67,2592.45 ; U2.4@3905,2960.98 3905,2934.29 3908.51,2930.78 3921.41,2930.78 3930.2,2921.99 3930.2,2921.89 3965.48,2886.61 3965.48,2776.29 3961.7,2772.5 3961.7,2756.7 v1(3955,2750) 3957.88,2747.12 3957.88,2635.93 C5.2@4001.36,2592.45 ; C4.2@4080,2592.45 C5.2@4003.33,2592.45 C5.2@4001.36,2592.45 ; C14.1@4560,2607 4364.61,2602.61 4245,2483 C2.1@4245,2443 C3.1@3930,2443 3928.33,2444.67 3928.33,2590.78 C12.2@3926.67,2592.45 ; C12.2@3926.67,2592.45 C5.2@4001.36,2592.45
  Bottom Layer w15: v1(2609.29,2720) v1(2855,2720) ; U1.18@3754.92,3195 4185,3195 v1(4212.34,3167.66)
AU_BLE_L: R4.2 R31.1 | length 75.5
  Top Layer w15: R31.1@4155,3329.65 4155.17,3329.83 4155.17,3404.83 R4.2@4155.35,3405
AU_BLE_LIN: C27.1 C31.2 CON1.20 | length 287.6
  Top Layer w10: CON1.20@3047.73,3031.93 3067.41,3031.93 3182.37,3146.88 3184.86,3146.88 3195.61,3157.63 C27.1@3195.61,3159.6 3195,3160.21 C31.2@3195,3245
AU_BLE_R: R1.2 R7.2 | length 537.3
  Top Layer w15: R1.2@3710.34,3405 3710.34,3406.13 3739.72,3435.51 3876.12,3435.51 3960.51,3351.12 3960.51,3308.19 3952.6,3300.28 3810.51,3300.28 3781.13,3329.65 R7.2@3780,3329.65
AU_BLE_RIN: C21.1 C25.2 CON1.19 | length 430.3
  Top Layer w10: CON1.19@3047.73,3012.24 3048.63,3013.14 3076,3013.14 3181.56,3118.7 3286.08,3118.7 3300.55,3133.18 3304.66,3133.18 3329.89,3158.41 C21.1@3329.89,3160.37 3329.28,3160.98 C25.2@3329.28,3245.77
AU_L: C19.2 CON1.15 R3.1 R4.1 R15.1 | length 2339.3
  Top Layer w10: CON1.15@3047.73,2933.5 3101.5,2933.5 3125,2910 3324,2910 v2(3325,2911) ; v1(4070,2735) R3.1@4155.35,2735 4159.64,2730.71 C19.2@4159.64,2660 4160.35,2659.29 R15.1@4160.35,2580 ; R4.1@4214.65,3405 4215.11,3404.54 v1(4304.54,3404.54)
  Bottom Layer w10: v2(3325,2911) 3393,2843 3393,2826.39 3599.39,2620 3955,2620 v1(4070,2735) 4117.34,2782.34 4151.68,2782.34 4316.19,2946.84 4316.19,3382.99 4305,3394.18 4305,3404.09 v1(4304.54,3404.54)
AU_L_OUT: CN1.2 CON1.14 R10.1 R21.4 R21.5 U4.3 U7.3 | length 6948.8
  Top Layer w10: CON1.14@3047.73,2913.82 3091.26,2913.82 3115.07,2890 3350,2890 v2(3401.62,2941.62) ; v1(3405,3455) 3410,3460 v1(3975,3460) 3978.5,3463.5 v1@3982.15,3463.5 ; v1(4400,3690) 4361.35,3651.35 CN1.2@4200,3651.35 4170,3651.35 v1@3982.15,3463.5 ; v1(4450.5,2497.5) 4530.66,2497.5 4547,2513.84 4547,2514.14 4552.86,2520 4556.84,2520 4615,2578.16 4615,2635.84 4504.74,2746.1 4504.74,3132.88 cw(c4549.5,3143.5) 4504.74,3154.12 4504.74,3255.26 4501.81,3258.19 4296.5,3463.5 v1@3982.15,3463.5 ; R21.5@4858,1108 4859.88,1108 4873.74,1121.86 4873.74,1123.74 5150,1400 v1(5150,2445) v1@5150,2450
  Bottom Layer w10: v2(3401.62,2941.62) 3405,2945 v1(3405,3455) ; v1(3975,3460) 4106.72,3460 4278.43,3288.28 4278.43,3245.88 R10.1@4289.31,3235 ; v1(4400,3690) 4400,3545.08 4470.08,3475 U4.3@4494.39,3475 ; v1(4450.5,2497.5) 4484,2464 ; U7.3@4564.39,2290 4474.16,2290 4451.16,2267 4363.86,2267 4358,2272.86 4358,2338 4484,2464 ; R21.4@4779,1108 R21.5@4858,1108 ; v1(5150,2445) 5143.14,2445 5124.14,2464 4484,2464
AU_R: C8.2 CON1.16 R1.1 R2.1 R16.2 | length 2641.9
  Top Layer w10: CON1.16@3047.73,2953.19 3116.81,2953.19 3136,2934 v2@3341,2934 ; R16.2@3769.66,2585 3769.66,2659.3 C8.2@3770.36,2660 3770.36,2734.3 R2.1@3769.66,2735 3835,2735 v1(3865,2705) ; R1.1@3769.66,3405 3777.65,3397.01 v1(3845,3397.01) v1@3852.99,3397.01
  Bottom Layer w10: v2(3345,2930) 3409,2866 3409,2833.02 3603.02,2639 3799,2639 v1(3865,2705) 3980,2705 4065,2790 4102.37,2790 4134.58,2822.21 4168.93,2822.21 4260,2913.28 4260,3275 4137.99,3397.01 v1(3845,3397.01)
AU_R_OUT: CN1.3 CN1.4 CON1.13 R11.2 R24.4 R24.5 U5.3 U6.3 | length 5674.3
  Top Layer w10: v1(1929.39,1465.61) 1929.39,1280.51 2049.33,1160.57 2196.43,1160.57 2249,1108 R24.4@2259,1108 ; v2(2925,2945) 2948.13,2945 2999,2894.13 CON1.13@3047.73,2894.13 3088.32,2894.13 3112.45,2870 3422.29,2870 3427.29,2865 v2(3430,2865) ; 3872.5,3675.32 3872.5,3695.85 3895,3718.35 CN1.3@3925,3718.35 3955,3718.35 3977.5,3740.85 3977.5,3751.35 4117.5,3891.35 CN1.4@4200,3891.35 v1(4346.35,3891.35)
  Bottom Layer w10: v1(1929.39,1465.61) 1929.39,1928.17 1881.68,1975.89 1881.68,2209.69 1896.98,2225 1961.8,2225 1977.1,2240.31 1977.1,2276.6 U6.3@1953.7,2300 ; U6.3@1929.39,2300 U6.3@1953.7,2300 ; v2(2925,2945) 2925.88,2945 3025.88,2845 3025.88,2545.88 2770,2290 2475,2290 2290,2475 2128.7,2475 U6.3@1953.7,2300 ; v2(3430,2865) 3431.91,2866.91 3441,2866.91 3444.05,2869.96 3455.88,2869.96 3525,2939.09 3525,3168.52 3600.34,3243.87 R11.2@3600.34,3245 3600.34,3246.13 3860,3505.79 v1(3860,3653.35) ; v1(4346.35,3891.35) 4415,3960 U5.3@4494.39,3960
  Bottom Layer w15: R24.4@2259,1108 R24.5@2338,1108
AU_USB_L: R3.2 R30.1 | length 82
  Top Layer w10: R3.2@4214.65,2735 4225.53,2745.88 4225.53,2770.63 4230.76,2775.85 R30.1@4230.76,2810.34
AU_USB_LIN: C26.2 C30.1 CN2.2 CON1.18 | length 1379.1
  Top Layer w10: C26.2@3195,2989.44 3195.61,2990.05 C30.1@3195.61,3072.44 ; C30.1@3195.61,3074.41 C30.1@3195.61,3072.44 ; CN2.2@3747.5,3651.35 3546.15,3651.35 3011.14,3116.34 3011.14,3001.78 3019.45,2993.46 3046.82,2993.46 CON1.18@3047.73,2992.56 3115.72,2992.56 C30.1@3195.61,3072.44
AU_USB_R: R2.2 R6.2 | length 77.5
  Top Layer w10: R6.2@3705.17,2810.34 3705.17,2740.18 R2.2@3710.34,2735
AU_USB_RIN: C20.1 C24.1 CN2.3 CN2.4 CON1.17 | length 1738.7
  Top Layer w10: C24.1@3329.89,3075.19 C20.1@3329.89,2990 3329.89,2988.03 3319.14,2977.28 3317.17,2977.28 3289.89,2950 3150,2950 3127.13,2972.87 CON1.17@3047.73,2972.87 3047.44,2973.15 3013.6,2973.15 2987.27,2999.48 2987.27,3118.64 3472.5,3603.86 CN2.3@3472.5,3718.35 3502.5,3718.35 3525,3740.85 3525,3751.35 3665,3891.35 CN2.4@3747.5,3891.35